# Altium PCB precursor_pvt2b.PcbDoc (part 4 of 7) (continued)
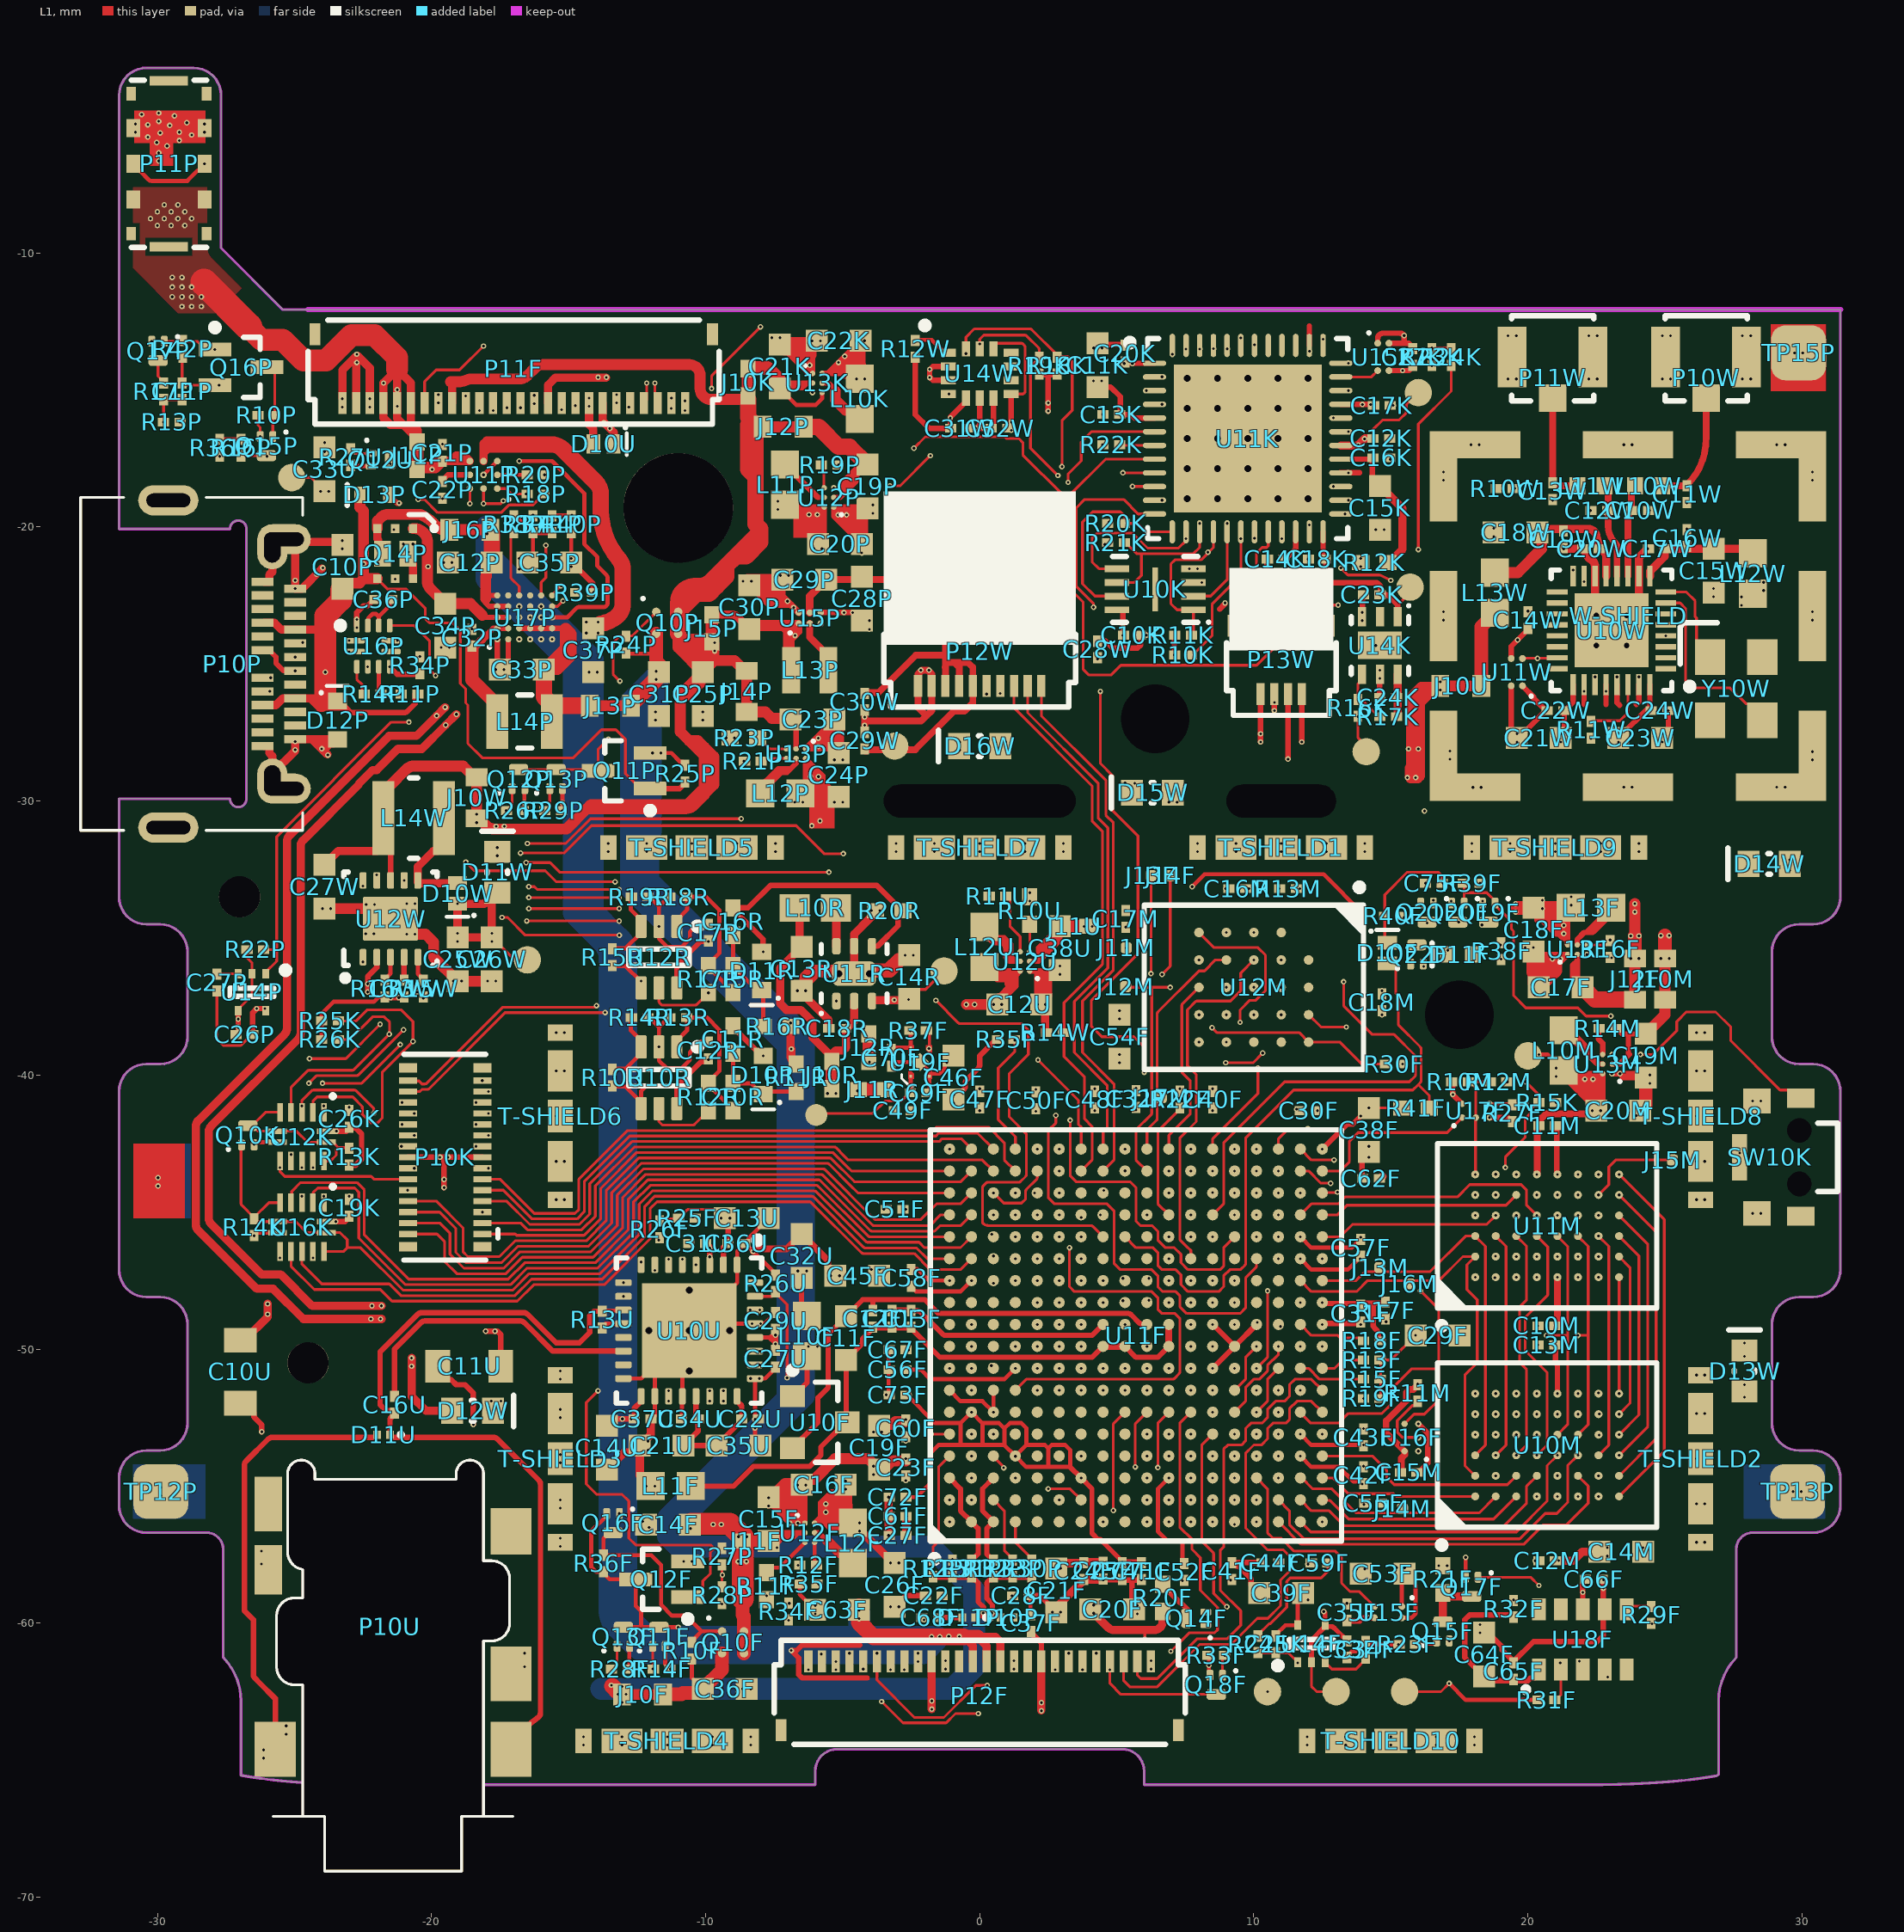
[diagram p0: L1 view]
## Nets (pads, with @x,y where several pads share a name; then routed paths per layer and width w, separated by ;. In a path a pad name is that pad's centre, name@x,y a point inside that pad or via, vN(x,y) a via of type N, cw(c..) or ccw(c..) an arc to the next point about the centre after c; other vN are vias at no path point) (continued)
KEY8: U11F.B15 U16K.4 | length 30.9
  L1 w0.1: U16K.4@-25.125,-44.66 -25.1,-44.635 -25.1,-44.25 -24.775,-43.925 -22.717,-43.925 -22.45,-44.192 -22.45,-45.831 -20.831,-47.45 -17.201,-47.45 -16.601,-46.85 -14.023,-46.85 -12.825,-45.652 -12.825,-44.546 -12.104,-43.825 -5.882,-43.825 cw(c-5.882,-43.925) -5.811,-43.855 -3.995,-45.671 ccw(c-3.924,-45.6) -3.924,-45.7 -1.65,-45.7 -1.45,-45.5 -0.7,-45.5 U11F.B15@-0.3,-45.1
KEY8_MUX: P10K.20 U12K.3 U16K.3 | length 10.6
  L1 w0.1: U12K.3@-24.725,-41.36 v1(-24.725,-41.125) -24.725,-40.925 -24.379,-40.579 cw(c-24.309,-40.65) -24.309,-40.55 -22.816,-40.55 ; -22.816,-40.55 cw(c-22.816,-40.65) -22.745,-40.58 -22.492,-40.833 -22.129,-41.196 cw(c-22.2,-41.266) -22.1,-41.266 v1(-22.1,-41.4)
  L2 w0.1: v1(-24.725,-44.425) -25.075,-44.075 -25.075,-43.275 -24.725,-42.925 v1(-24.725,-41.125) ; v1(-22.1,-41.4) -22.1,-42.975 v1(-20.875,-44.2)
KILL_FBK: D11F.2 Q21F.3 Q22F.1 R38F.2 | length 4.7
  L2 w0.1: v1(15.699,-35.875) 15.708,-35.867 16.325,-35.25 ; v1(16.325,-34.45) 16.325,-35.25 ; v1(18.996,-35.25) 18.65,-35.25 18.225,-35.675 17.625,-35.675 17.4,-35.45 v1(17.075,-35.45) 16.525,-35.45 16.325,-35.25
KILL_KEY: D10F.1 R41F.2 U11F.J14 | length 24.1
  L1 w0.1: U11F.J14@5.3,-45.9 5.7,-46.3 6.325,-46.3 6.5,-46.475 6.5,-46.95 6.65,-47.1 7.15,-47.1 7.345,-47.295 7.345,-47.647 7.598,-47.9 8.725,-47.9 8.9,-47.725 8.9,-47.325 9.125,-47.1 9.473,-47.1 ccw(c9.473,-47) 9.544,-47.071 9.671,-46.944 ccw(c9.6,-46.873) 9.7,-46.873 9.7,-42.3 11.45,-40.55 15.8,-40.55 16,-40.35 ; D10F.1@14.875,-35.925 14.975,-35.925 15.175,-36.125 15.175,-37 15.275,-37.1 15.275,-38.175 16.071,-38.971 cw(c16,-39.041) 16.1,-39.041 16.1,-40.209 cw(c16,-40.209) 16.071,-40.279 16,-40.35 ; R41F.2@16.4,-41.2 16.4,-40.75 16,-40.35
KILL_KEY_N: Q16F.1 Q19F.3 R37F.1 U19F.3 | length 50.8
  L1 w0.1: R37F.1@-1.945,-38.375 -1.836,-38.484 U19F.3@-1.836,-39.005 ; Q19F.3@18.57,-34.425 Q19F.3@18.72,-34.425
  L2 w0.1: v2(-13.388,-54.963) -13.15,-55.2 v1(-13.15,-56) ; v2(-7.4,-40.275) -6.225,-40.275 -6.1,-40.15 -5.4,-40.15 -3.8,-38.55 -3.127,-38.55 -2.641,-39.036 v1(-1.85,-39.036) -1.529,-39.036 -1.468,-38.975 0.191,-38.975 cw(c0.191,-39.075) 0.262,-39.005 v2(1.157,-39.9) ; v2(15.742,-36.417) 15.755,-36.417 15.917,-36.255 ccw(c15.847,-36.185) 15.947,-36.185 15.947,-35.953 cw(c16.047,-35.953) 15.976,-35.882 16.183,-35.675 16.796,-35.675 17.021,-35.9 18.4,-35.9 18.8,-35.5 19.15,-35.5 19.25,-35.4 19.25,-35.15 18.625,-34.525 v1(18.325,-34.525)
  L7 w0.1: v2(-13.388,-54.963) -13.388,-52.113 -11.475,-50.2 -11.475,-45.4 -7.4,-41.325 v2(-7.4,-40.275) ; v2(1.157,-39.9) 7.775,-39.9 10.3,-37.375 14.8,-37.375 15.742,-36.433 v2(15.742,-36.417)
KILL_KEY_STRETCH: C75F.1 D10F.2 Q17F.1 Q19F.1 Q20F.1 Q21F.1 R39F.1 R40F.1 | length 43.3
  L1 w0.1: D10F.2@14.875,-35.175 14.775,-35.075 R40F.1@14.775,-34.2 14.775,-33.425 15.6,-32.6 16.725,-32.6 16.875,-32.75 C75F.1@16.875,-33 16.83,-33 C75F.1@16.72,-33.11 ; R39F.1@17.64,-33 17.675,-33.035 17.675,-33.38 ; Q20F.1@17.675,-33.725 17.675,-33.38 ; Q17F.1@18.18,-58.325 20.1,-58.325 v2(20.4,-58.625) ; v2(23.025,-37.85) 22.125,-37.85 21.825,-37.55 19.925,-37.55 19.475,-37.1 19.475,-34.75 19.4,-34.675 19.4,-34.4 18.8,-33.8 Q19F.1@18.8,-33.725 18.8,-33.65 18.5,-33.35 17.705,-33.35 17.675,-33.38
  L2 w0.1: v1(16.55,-33.625) 16.55,-33.35 v1(16.9,-33) 17.2,-33 17.252,-32.948 v1(17.548,-32.948)
  L7 w0.1: v2(20.4,-58.625) 21.875,-58.625 22.5,-58 22.95,-58 23.65,-57.3 23.65,-57 24.85,-55.8 24.85,-38.6 24.1,-37.85 v2(23.025,-37.85)
  other v1: 20.4,-58.625 23.025,-37.85
KILL_VAUX_N: Q20F.3 R16F.2 U13F.C2 | length 7.2
  L1 w0.1: U13F.C2@22.15,-35.25 22.85,-35.25 23,-35.1 R16F.2@23,-35.095 v1(23,-35.075)
  L2 w0.1: v1(17.475,-34.425) 17.9,-34 18.925,-34 19.6,-34.675 20.3,-34.675 20.825,-35.2 21.525,-35.2 21.65,-35.075 v1(23,-35.075)
LCD_DISP: C28W.1 P12W.6 U11K.44 | length 23.1
  L2 w0.1: v1(0.25,-26.1) 0.625,-26.475 3.375,-26.475 4.3,-25.55 v1(4.3,-24.825) 4.3,-23.966 ccw(c4.2,-23.966) 4.27,-23.895 2.579,-22.204 cw(c2.65,-22.134) 2.55,-22.134 2.55,-17.675 2.75,-17.475 4.597,-17.475 ccw(c4.597,-17.375) 4.667,-17.446 4.909,-17.204 cw(c4.98,-17.275) 4.979,-17.175 ; 4.98,-17.175 6.375,-17.175 7.196,-16.354 cw(c7.266,-16.425) 7.266,-16.325 8.809,-16.325 ccw(c8.809,-16.225) 8.879,-16.296 9.196,-15.979 ccw(c9.125,-15.909) 9.225,-15.909 9.225,-14.264 9.032,-14.071 v1(9.032,-13.504)
LCD_SCLK: P12W.10 U11F.H17 | length 19.6
  L1 w0.1: P12W.10@2.25,-26.1 2.25,-26.893 4.6,-29.243 4.6,-30.518 4.875,-30.793 4.875,-36.177 3.75,-37.302 3.75,-39.175 4.9,-40.325 4.9,-43.1 U11F.H17@4.5,-43.5
LCD_SCS: P12W.8 R14W.2 U11F.G17 | length 19.9
  L1 w0.1: P12W.8@1.25,-26.1 1.25,-26.6 4.1,-29.45 4.1,-30.725 4.475,-31.1 4.475,-35.961 3.075,-37.361 3.075,-38.45 3.075,-39.325 3.825,-40.075 3.825,-41.6 4.1,-41.875 4.1,-43.1 U11F.G17@3.7,-43.5
LCD_SI: P12W.9 U11F.H18 | length 18.9
  L1 w0.1: P12W.9@1.75,-26.1 1.75,-26.782 4.325,-29.357 4.325,-30.632 4.675,-30.982 4.675,-36.094 3.45,-37.319 3.45,-39.175 4.65,-40.375 4.65,-41.925 4.5,-42.075 U11F.H18@4.5,-42.7
MICBIAS: R13U.2 U10U.12 | length 0.9
  L1 w0.15: R13U.2@-13.775,-49.23 -13.775,-49.185 -13.665,-49.075 U10U.12@-13,-49.075
MICIN+: C16U.2 U10U.14 | length 10.9
  L1 w0.2: C16U.2@-21.35,-51.72 -21.35,-49.999 -20.384,-49.034 cw(c-20.243,-49.175) -20.243,-48.975 -16.758,-48.975 cw(c-16.758,-49.175) -16.616,-49.034 -15.575,-50.075 U10U.14@-13,-50.075
NetC10U_1: C10U.1 U10U.27 | length 21.3
  L1 w0.3: C10U.1@-26.975,-49.675 -26.825,-49.675 -25.975,-48.825 v1(-25.975,-48.73) v1(-25.975,-48.35)
  L2 w0.3: v1(-25.975,-48.73) v1(-25.975,-48.35) -25.65,-48.025 -20.175,-48.025 -18.538,-49.662 ; -18.537,-49.663 ccw(c-18.326,-49.45) -18.326,-49.75 -17.524,-49.75 ccw(c-17.524,-49.45) -17.312,-49.662 -17.263,-49.613 cw(c-17.051,-49.825) -17.051,-49.525 -13.399,-49.525 cw(c-13.399,-49.825) -13.187,-49.613 -12.725,-50.075 -10.6,-50.075 v1(-8.375,-50.075) v1(-8.025,-50.075)
NetC11P_1: C11P.1 Q14P.2 R13P.2 R17P.2 | length 12.8
  L1 w0.1: R13P.2@-29.78,-16.175 -29.775,-16.17 R17P.2@-29.775,-15.355 C11P.1@-29.1,-15.355
  L2 w0.1: v1(-29.775,-16.175) -29.175,-15.575 -24.525,-15.575 -22.284,-17.816 -22.284,-19.191 v1(-21.375,-20.1)
NetC11U_1: C11U.1 U10U.30 | length 12.3
  L1 w0.2: v1(-18.025,-49.35) v1(-17.681,-49.35) -17.592,-49.35 -17.475,-49.467 C11U.1@-17.475,-50.625
  L2 w0.3: v1(-18.025,-49.35) -17.725,-49.35 -16.95,-48.575 -14.304,-48.575 -14.054,-48.825 -8.889,-48.825 -8.639,-48.575 v1(-8.375,-48.575) v1(-8.025,-48.575)
NetC32P_1: C32P.1 L14P.1 U17P.A2 U17P.B2 | length 4.5
  L1 w0.2: -18.025,-23.975 -17.75,-23.7 U17P.A2@-17.6,-23.7 U17P.B2@-17.2,-23.7
  L1 w0.3: -18.338,-24.288 -18.209,-24.159 -18.025,-23.975
  L1 w0.5: C32P.1@-18.525,-24.375 -18.525,-25.575 -17.6,-26.5 L14P.1@-17.6,-27.1
NetC32P_2: C32P.2 U17P.C3 | length 1.9
  L2 w0.15: v1(-18.525,-23.725) -18.1,-23.3 v1(-16.8,-23.3)
NetD11W_2: D11W.2 D12W.1 | length 29.2
  L1 w0.3: v1@-20.715,-50.325 -20.715,-51.735 -20.2,-52.25 D12W.1@-19.25,-52.25 D12W.1@-19.25,-52.175
  L7 w0.3: v2@-20.725,-50.449 -20.725,-47.549 cw(c-20.425,-47.549) -20.637,-47.337 -18.95,-45.65 -18.95,-41.175 -23.8,-36.325 -23.8,-34.75 -23.15,-34.1 -23.15,-33.875 -22.35,-33.075 -18.8,-33.075 v2@-17.575,-31.85
  other v1: -20.725,-50.625 -20.725,-50.325 -17.6,-32 -17.6,-31.7
  other v2: -20.725,-50.475 -17.6,-31.85
NetD12W_2: D12W.2 D13W.1 | length 76.6
  L2 w0.3: v1(-17.817,-51.896) -16.929,-51.896 v2(-16.625,-52.2) ; v2(27.35,-33.319) 27.35,-42.076 cw(c27.05,-42.076) 27.262,-42.288 27.05,-42.5 27.05,-43.825 27.325,-44.1 27.325,-50.45 27.9,-51.025 v1(27.9,-51.3) 27.904,-51.304 v1(27.904,-51.759)
  L7 w0.3: v2(-16.625,-52.2) -16.625,-48.525 -8.15,-40.05 -8.15,-37.375 -5.7,-34.925 -3.475,-34.925 -1.25,-32.7 5.469,-32.7 5.607,-32.563 cw(c5.819,-32.775) 5.819,-32.475 12.975,-32.475 13.175,-32.275 24.775,-32.275 25.819,-33.319 v2(27.35,-33.319)
  other v1: -17.464,-51.894
NetD13P_1: D13P.1 Q14P.6 Q14P.EP1 | length 4
  L1 w0.2: D13P.1@-21.564,-18.824 -21.564,-18.924 -21.464,-19.024 -21.364,-19.024 -21.259,-19.129 v1(-21.181,-19.129)
  L1 w0.3: Q14P.EP1@-20.859,-20.975 -20.859,-21.143 -20.675,-21.327 Q14P.6@-20.675,-21.888
  L2 w0.6: v1@-21.55,-18.7 -21.55,-19.075 -21.338,-19.287 -21.021,-19.604 cw(c-21.444,-20.029) -20.844,-20.029 v1(-20.844,-20.913)
  other v1: -21.025,-20.625 -20.675,-20.625 -21.617,-19.015 -21.615,-18.628
NetD13W_2: D13W.2 D14W.1 | length 20.1
  L2 w0.3: v1(27.901,-50.263) v1(27.9,-49.775) v1(27.9,-49.775) 27.9,-47.125 29,-46.025 29,-44.375 28.45,-43.825 28.45,-41.85 28.975,-41.325 28.975,-40.625 27.975,-39.625 27.975,-34.5 29.55,-32.925 v1(29.55,-32.15)
  other v1: 29.55,-32.537
NetD14W_2: D14W.2 D15W.1 | length 22.8
  L7 w0.3: v2@7.025,-30.05 7.025,-30.551 7.649,-31.175 13.225,-31.175 13.45,-30.95 15.35,-30.95 15.8,-31.4 16.603,-31.4 17.053,-30.95 24.8,-30.95 26.15,-32.3 v2(28.05,-32.3)
  other v1: 28.05,-32.45 28.05,-32.15 6.9,-30.05 7.2,-30.05
  other v2: 7.05,-30.05
NetD15W_2: D15W.2 D16W.1 | length 5.7
  L2 w0.4: v1@0.574,-27.85 v1(0.95,-27.85) 3.209,-27.85 cw(c3.209,-28.25) 3.492,-27.967 4.875,-29.35 v1(5.3,-29.35) v1@5.65,-29.35
  other v1: 5.652,-29.351 0.574,-27.848
NetL13P_2: L13P.2 U15P.B1 | length 2
  L1 w0.25: U15P.B1@-6.2,-23.525 -6.2,-24.025 -5.525,-24.7 L13P.2@-5.525,-25.225
NetQ10F_1: Q10F.1 Q16F.3 R10F.1 R36F.2 | length 7.9
  L1 w0.15: Q16F.3@-13.375,-56.7 -13.511,-56.7 -13.725,-56.914 R36F.2@-13.725,-57.52 -11.98,-57.52 -11.625,-57.875 -11.625,-59.325 -11.225,-59.725 -10.725,-59.725 -10.15,-60.3 ; R10F.1@-10.5,-60.695 -10.5,-60.65 -10.15,-60.3 ; Q10F.1@-9.4,-60.3 -10.15,-60.3
NetQ14F_3: Q14F.3 R20F.1 | length 1.3
  L1 w0.2: R20F.1@6.675,-58.575 6.675,-58.615 7.297,-59.237 7.298,-59.238 ccw(c7.438,-59.096) 7.313,-59.252 7.371,-59.298 cw(c7.247,-59.454) 7.389,-59.314 7.599,-59.524 cw(c7.458,-59.666) Q14F.3@7.6,-59.525
NetQ14P_5: Q14P.5 Q15P.3 R16P.2 | length 8.3
  L1 w0.1: R16P.2@-26.95,-17.41 -26.94,-17.4 Q15P.3@-26.02,-17.4
  L2 w0.1: v1(-26,-17.425) -24.383,-17.425 -22.8,-19.008 -22.8,-19.583 -22.672,-19.71 -22.672,-19.878 -21.623,-20.927 -21.623,-21.602 v1(-21.325,-21.9)
NetQ17P_3: Q17P.3 R17P.1 | length 0.9
  L1 w0.1: Q17P.3@-29.975,-13.925 -29.975,-14.5 -29.775,-14.7 R17P.1@-29.775,-14.745
NetQ22F_3: Q22F.3 R40F.2 | length 1.2
  L2 w0.1: v1(15.475,-34.25) 15.475,-34.8 v1(15.9,-35.225)
NetR10R_2: R10R.2 R14R.2 U10R.3 | length 2.7
  L1 w0.15: R10R.2@-13.4,-39.775 -12.925,-39.775 -12.35,-39.2 U10R.3@-12.35,-38.975 -12.35,-38.75 -12.725,-38.375 R14R.2@-12.725,-37.9
NetR10U_1: R10U.1 U12U.C1 | length 1
  L1 w0.1: U12U.C1@1.825,-35.5 R10U.1@1.825,-34.5
NetR11F_1: R11F.1 U12F.C1 | length 1.7
  L1 w0.15: R11F.1@-7.725,-57.975 -7.3,-57.975 U12F.C1@-6.375,-57.05
NetR11P_2: R11P.2 U16P.4 | length 1.6
  L2 w0.15: v1(-22.325,-25.1) -21.325,-26.1 v1(-21.105,-26.1)
NetR11U_2: R11U.2 U12U.C2 | length 2.3
  L1 w0.1: R11U.2@0.955,-33.475 1,-33.475 1.11,-33.585 1.11,-34.587 1.475,-34.952 U12U.C2@1.475,-35.5
NetR11W_1: R11W.1 U10W.30 | length 2.5
  L1 w0.1: R11W.1@22.3,-27.075 23.35,-27.075 23.621,-26.804 ccw(c23.55,-26.734) 23.65,-26.734 23.65,-26.4 U10W.30@23.65,-25.755
NetR12F_1: R12F.1 U12F.C2 | length 0.9
  L1 w0.15: R12F.1@-6.025,-57.925 U12F.C2@-6.025,-57.05
NetR12W_1: R12W.1 U14W.1 | length 1.4
  L1 w0.15: R12W.1@-2.35,-13.175 -1.75,-13.175 -1.275,-13.65 U14W.1@-1.15,-13.65
NetR13F_1: R13F.1 U11F.V8 | length 1.6
  L1 w0.1: U11F.V8@12.5,-50.7 12.95,-50.7 13.25,-50.4 R13F.1@13.975,-50.4
NetR14M_2: R14M.2 U13M.C2 | length 1
  L1 w0.2: R14M.2@22.575,-38.3 22.575,-38.687 22.725,-38.837 U13M.C2@22.725,-39.25
NetR15R_2: R15R.2 R19R.2 U12R.3 | length 2.7
  L1 w0.15: R15R.2@-13.4,-35.375 -12.925,-35.375 -12.35,-34.8 U12R.3@-12.35,-34.575 -12.35,-34.35 -12.725,-33.975 R19R.2@-12.725,-33.5
NetR15W_2: R15W.2 U12W.5 | length 0.9
  L1 w0.15: U12W.5@-20.496,-35.7 -20.496,-36.304 -20.3,-36.5 R15W.2@-20.3,-36.525
NetR16K_2: R16K.2 R17K.2 U14K.4 | length 2
  L1 w0.1: U14K.4@13.95,-25.375 13.95,-25.575 13.8,-25.725 13.8,-26.275 13.8,-26.3 13.91,-26.41 14.035,-26.41 14.55,-26.925 R17K.2@14.575,-26.925
NetR17F_2: R17F.2 U11F.U9 | length 3.5
  L2 w0.1: v1(11.7,-49.9) 11.964,-49.9 12.314,-49.55 14.275,-49.55 v1(14.825,-49)
NetR18F_2: R18F.2 U11F.U10 | length 2.5
  L1 w0.1: U11F.U10@11.7,-49.1 12.1,-49.5 13.062,-49.5 13.152,-49.59 13.865,-49.59 R18F.2@13.975,-49.7
NetR19F_2: R19F.2 U11F.T10 | length 4.4
  L2 w0.1: v1(10.975,-49.175) 11.4,-49.6 11.4,-50.025 11.675,-50.3 12.075,-50.3 13.575,-51.8 v1(14,-51.8)
NetR19P_2: R19P.2 U12P.C2 | length 0.9
  L1 w0.1: R19P.2@-5.69,-17.635 -5.69,-18.56 U12P.C2@-5.675,-18.575
NetR21P_2: R21P.2 U13P.C2 | length 0.9
  L1 w0.1: R21P.2@-7.95,-28.55 -7.85,-28.45 U13P.C2@-7.05,-28.45
NetR22F_1: R22F.1 U11F.L15 | length 4.4
  L1 w0.1: U11F.L15@6.9,-45.1 6.5,-44.7 6.5,-42.05 7.3,-41.25 R22F.1@7.3,-41.225
NetR23P_1: R23P.1 U13P.C1 | length 1.2
  L1 w0.1: R23P.1@-8.1,-27.7 -8.06,-27.7 -7.66,-28.1 U13P.C1@-7.05,-28.1
NetU10W_7: U10W.7 Y10W.3 | length 6.9
  L1 w0.1: U10W.7@25.03,-22.775 25.55,-22.775 25.75,-22.975 25.75,-25.625 26,-25.875 27.375,-25.875 27.95,-26.45 28.05,-26.45 28.55,-26.95 Y10W.3@28.55,-27.05
NetU10W_8: U10W.8 Y10W.1 | length 3.5
  L1 w0.1: U10W.8@25.03,-22.375 25.775,-22.375 26.1,-22.7 26.1,-23.275 26.15,-23.325 26.15,-24.25 Y10W.1@26.65,-24.75
NOISE0: J12R.1 R15R.1 U11F.C5 U12R.4 | length 31
  L1 w0.15: R15R.1@-13.4,-36.025 -12.925,-36.025 -12.35,-36.6 U12R.4@-12.35,-36.825
  L2 w0.15: v1(-12.35,-36.575) -9.5,-36.575 -8.475,-37.6 -8.475,-39.35 -8.294,-39.531 ccw(c-8.188,-39.425) -8.188,-39.575 -5.562,-39.575 ccw(c-5.562,-39.425) -5.456,-39.531 v1(-4.225,-38.3) ; v1(-4.025,-39.525) -3.875,-39.375 v2(-3.077,-39.375)
  L2 w0.2: v2(0.1,-53.5) v1(0.5,-53.1)
  L7 w0.2: v2(-3.077,-39.375) -1.861,-39.375 -0.986,-40.25 -0.775,-40.25 -0.45,-40.575 -0.45,-45.142 ccw(c-0.25,-45.142) -0.391,-45.284 ; -0.391,-45.284 0.175,-45.85 0.175,-49.341 -0.15,-49.666 -0.15,-51.4 0.625,-52.175 0.625,-52.975 v2(0.1,-53.5)
NOISE1: J11R.1 R10R.1 U10R.4 U11F.A8 | length 22.5
  L1 w0.15: R10R.1@-13.4,-40.425 -12.925,-40.425 -12.35,-41 -12.35,-40.579 v1(-12.171,-40.4)
  L2 w0.15: v1(-12.171,-40.4) -11.188,-40.4 -10.863,-40.725 -10.513,-40.725 -6.912,-40.725 cw(c-6.912,-40.875) -6.806,-40.769 -6.325,-41.25 -5.125,-41.25 v1(-4.455,-40.58) v1@-4.45,-40.575
  L2 w0.2: v2(-1.5,-51.1) v1(-1.1,-50.7)
  L7 w0.2: v2(-3.425,-40.475) -3.425,-40.889 -3.7,-41.164 -3.7,-42.775 -2.125,-44.35 -2.125,-48.425 -1.5,-49.05 v2(-1.5,-51.1)
  other v1: -3.425,-40.475
NOISE_ON0: R17R.2 U11F.P14 U12R.5 | length 32
  L1 w0.1: U12R.5@-11.7,-36.825 -11.7,-37.309 ccw(c-11.6,-37.309) -11.671,-37.379 -11.629,-37.421 ccw(c-11.559,-37.35) -11.559,-37.45 -10.391,-37.45 ccw(c-10.391,-37.35) -10.321,-37.421 -10.165,-37.265 -10.125,-37.265 -9.9,-37.04 v1(-9.9,-37) ; v1(3.3,-41.65) 3.3,-43.675 3.525,-43.9 5.5,-43.9 5.7,-44.1 5.7,-45.325 5.875,-45.5 6.3,-45.5 6.5,-45.7 6.5,-46.025 6.775,-46.3 7.1,-46.3 7.345,-46.545 7.345,-46.847 7.598,-47.1 8.775,-47.1 8.9,-46.975 8.9,-46.3 U11F.P14@9.3,-45.9
  L2 w0.1: v1(-9.9,-37) -9.25,-37.65 -9.25,-39.035 ccw(c-9.15,-39.034) -9.221,-39.104 -8.504,-39.821 ccw(c-8.434,-39.75) -8.434,-39.85 -5.441,-39.85 ccw(c-5.441,-39.75) -5.37,-39.82 -3.875,-38.325 -3.015,-38.325 -2.59,-38.75 0.875,-38.75 1.825,-39.7 2.709,-39.7 cw(c2.709,-39.8) 2.78,-39.73 3.271,-40.221 cw(c3.2,-40.291) 3.3,-40.291 ; v1(3.3,-41.65) 3.3,-40.291
NOISE_ON1: R12R.2 U10R.5 U11F.R13 | length 33.6
  L1 w0.1: U10R.5@-11.7,-41.225 -11.7,-41.7 -11.575,-41.825 -10.466,-41.825 ccw(c-10.466,-41.725) -10.396,-41.796 -10.079,-41.479 R12R.2@-9.9,-41.3 ; v1(2.775,-41.475) 2.775,-41.75 2.5,-42.025 2.5,-44.475 2.725,-44.7 4.65,-44.7 4.9,-44.95 4.9,-46.875 5.125,-47.1 6.275,-47.1 6.5,-47.325 6.5,-47.725 6.675,-47.9 7.15,-47.9 7.3,-48.05 7.3,-48.45 7.55,-48.7 9.5,-48.7 9.7,-48.5 9.7,-47.437 ; 9.7,-47.437 cw(c9.8,-47.437) 9.729,-47.367 10.071,-47.025 ccw(c10,-46.955) 10.1,-46.955 U11F.R13@10.1,-46.7
  L2 w0.1: v1(-9.9,-41.1) -6.793,-41.1 -6.393,-41.5 -4.875,-41.5 -4,-40.625 -4,-40.175 -3.775,-39.95 -2.891,-39.95 ccw(c-2.891,-39.85) -2.821,-39.921 -2.654,-39.754 cw(c-2.584,-39.825) -2.584,-39.725 -2.266,-39.725 cw(c-2.266,-39.825) -2.195,-39.755 -2.004,-39.946 ccw(c-1.934,-39.875) -1.934,-39.975 0.075,-39.975 0.475,-40.375 1.6,-40.375 1.851,-40.124 2.399,-40.124 2.775,-40.5 2.775,-41.466 2.766,-41.475 v1(2.775,-41.475)
NOISEBIAS_ON: U11F.H14 U11R.1 | length 21.4
  L1 w0.1: v1(-1.6,-37.275) -0.779,-38.096 ccw(c-0.709,-38.025) -0.709,-38.125 1.537,-38.125 1.775,-38.363 1.775,-39.25 1.075,-39.95 1.075,-41.525 1.7,-42.15 1.7,-43.636 cw(c1.6,-43.636) 1.671,-43.707 1.496,-43.881 cw(c1.426,-43.81) 1.426,-43.91 0.306,-43.91 ccw(c0.306,-44.01) 0.235,-43.94 0.129,-44.046 ccw(c0.199,-44.117) 0.099,-44.117 0.099,-45.351 ccw(c0.199,-45.351) 0.141,-45.432 ccw(c0.336,-45.16) 0.336,-45.494 4.053,-45.494 cw(c4.053,-45.594) 4.123,-45.523 U11F.H14@4.5,-45.9
  L2 w0.1: v1(-5.23,-37.3) -4.725,-37.3 -4.225,-36.8 -2.075,-36.8 v1(-1.6,-37.275)
NPN_NOISE0: C15R.1 C16R.2 D11R.2 R16R.1 | length 3.8
  L1 w0.15: C16R.2@-9,-34.9 C15R.1@-9,-36 -9,-36.04 -8.365,-36.675 -8.125,-36.675 -7.9,-36.9 R16R.1@-7.9,-38.1
NPN_NOISE1: C10R.1 C11R.2 D10R.2 R11R.1 | length 3.6
  L1 w0.15: C11R.2@-9,-39.2 C10R.1@-9,-40.3 -8.35,-40.3 -7.95,-40.7 -7.85,-40.6 R11R.1@-6.7,-40.6
OPT_PIN: R23K.2 R24K.2 U11K.37 | length 4.8
  L1 w0.1: v1(16.5,-13.475) R24K.2@17.2,-13.475
  L2 w0.1: v1(12.525,-13.15) 14.45,-13.15 14.704,-13.404 ccw(c14.774,-13.333) 14.774,-13.433 16.416,-13.433 cw(c16.416,-13.533) 16.487,-13.462 v1(16.5,-13.475)
P0.95V_T: C16F.1 C19F.1 C20F.1 C21F.1 C22F.2 C23F.1 C24F.1 C25F.1 C26F.1 C27F.2 C28F.1 C60F.1 C61F.1 L12F.2 pad.TP@10.5,-62.5 R11U.1 R16F.1 R20F.2 U11F.E7 U11F.E9 U11F.E11 U11F.F8 U11F.F10 U11F.G7 U11F.G9 U11F.G11 U11F.H8 U11F.J7 U11F.J11 U11F.K8 U11F.L7 U11F.L11 U11F.M8 U11F.M10 U11F.N7 U11F.N9 U11F.N11 U11F.P8 U11F.P10 U12F.A2 | length 81.4
  L1 w0.1: v1(6.025,-60.59) 6.025,-60.275 6.05,-60.25
  L1 w0.15: 4.1,-57.71 4.155,-57.765 ; v1(7.75,-33.125) 8.2,-32.675 12.55,-32.675 14,-34.125 v1(14,-35.975)
  L1 w0.2: -5.805,-56.08 -5.805,-55.605 -5.41,-55.21 C16F.1@-5.16,-55.21 ; C16F.1@-4.9,-54.95 C16F.1@-5.16,-55.21 ; L12F.2@-4.81,-56.525 -5.467,-56.525 -5.642,-56.35 ; L12F.2@-4.635,-56.35 -5.642,-56.35 ; L12F.2@-4.535,-56.685 L12F.2@-4.35,-56.5 ; -5.819,-56.144 -5.612,-55.937 -5.612,-55.662 -5.375,-55.425 C16F.1@-5.16,-55.21 ; -5.819,-56.144 U12F.A2@-6.025,-56.35 -5.642,-56.35 ; -5.819,-56.144 -5.819,-56.173 -5.642,-56.35
  L1 w0.3: L12F.2@-4.625,-56.34 -4.625,-56.345 -4.482,-56.488 -4.41,-56.56 -4.336,-56.634 -3.42,-57.55 -3.35,-57.55 v2(-3.1,-57.8) ; C27F.2@-2.675,-56.8 v2(-2.675,-56.1) ; v2(2.8,-58) 2.99,-57.81 3.79,-57.81 3.8,-57.8 v2(3.8,-57.775) 3.81,-57.765 4.155,-57.765 C25F.1@4.5,-57.765 ; C20F.1@4.025,-59.5 4.687,-60.162 ; 4.688,-60.163 ccw(c4.899,-59.95) 4.899,-60.25 6.05,-60.25 6.366,-60.25 ccw(c6.366,-59.95) 6.579,-60.162 6.587,-60.154 ccw(c6.375,-59.941) 6.675,-59.941 R20F.2@6.675,-59.575
  L1 w0.4: C19F.1@-3.675,-52.95 -3.475,-52.75 -3.175,-52.75 -3.075,-52.65 C60F.1@-2.7,-52.65
  L1 w0.5: -5.375,-55.425 -5.375,-55.975 -5.575,-56.175 -4.885,-56.175 L12F.2@-4.885,-56.08 ; C16F.1@-4.9,-54.95 -4.9,-55.7 -4.885,-55.715 L12F.2@-4.885,-56.08 ; L12F.2@-4.625,-56.34 L12F.2@-4.885,-56.08
  L2 w0.1: v1(6.025,-60.59) 7.395,-61.919 cw(c7.325,-61.991) 7.396,-61.921 ccw(c7.467,-61.85) 7.467,-61.95 9.95,-61.95 v1(10.5,-62.5) ; v2(9.7,-48.7) 10.2,-48.2 10.2,-47.825 10.475,-47.55 10.475,-45.625 10.7,-45.4 11.55,-45.4 12.2,-44.75 12.2,-43.175 11.675,-42.65 11.675,-42.475 11.4,-42.2 11.4,-41.8 11.825,-41.375 11.825,-40.725 12.775,-39.775 12.775,-38.325 13.225,-37.875 13.512,-37.875 ; v1(14,-35.975) 14,-36.775 13.512,-37.263 13.512,-37.875 ; v1@23.05,-35.75 21.404,-37.396 ccw(c21.475,-37.466) 21.375,-37.466 21.375,-38.734 cw(c21.275,-38.734) 21.346,-38.804 20.325,-39.825 16.45,-39.825 15.6,-38.975 14.775,-38.975 13.675,-37.875 13.512,-37.875
  L2 w0.15: v1(0.35,-33.475) 0.975,-34.1 2.85,-34.1 3.825,-33.125 v1(7.75,-33.125)
  L2 w0.2: v2(1.7,-51.9) v1(2.1,-51.5) ; v2(1.7,-50.3) v1(2.1,-49.9) ; v2(1.7,-47.9) v1(2.1,-48.3) ; v2(2.5,-51.1) v1(2.9,-50.7) ; v2(2.5,-48.7) v1(2.9,-49.1) ; v2(3.3,-51.9) v1(3.7,-51.5) ; v2(3.3,-50.3) v1(3.7,-49.9) ; v2(3.3,-47.9) v1(3.7,-48.3) ; v2(4.1,-51.1) v1(4.5,-50.7) ; v2(4.9,-51.9) v1(5.3,-51.5) ; v2(4.9,-47.9) 5.225,-48.225 v1(5.225,-48.236) ; v1(6.1,-50.7) v2(6.5,-51.1) ; v1(6.9,-51.5) v2(7.3,-51.9) ; v1(6.9,-48.3) v2(7.3,-47.9) ; v1(7.7,-50.7) v2(8.1,-51.1) ; v1(7.7,-49.1) v2(8.1,-48.7) ; v1(8.5,-51.5) v2(8.9,-51.9) ; v1(8.5,-49.9) v2(8.9,-50.3) v1(9.3,-50.7) ; v1(8.5,-48.3) v2(8.9,-47.9) ; v1(9.3,-49.1) v2(9.7,-48.7)
  other v1: 4.16,-59.64 4.16,-59.34 -1.35,-59 1.175,-59 2.65,-58 2.95,-58 -3.25,-57.8 -2.95,-57.8 3.8,-57.775 -4.387,-56.642 -4.387,-56.342 -2.675,-56.1 -5.612,-55.95 -5.612,-55.65 -4.894,-55.11 -4.894,-54.81 -2.7,-54.8 -3.875,-53.025 -3.575,-53.025 -2.7,-52.575 23.05,-35.725
  other v2: 4.16,-59.49 -1.35,-59 1.175,-59 -4.387,-56.492 -5.612,-55.8 -4.894,-54.96 -2.7,-54.8 -3.725,-53.025 -2.7,-52.575
P1.2V: C11K.1 C12K.1 C13K.1 C22K.1 L10K.2 pad.TP@16,-15.1 R12K.2 R19P.1 U11K.5 U11K.30 U13K.A2 | length 18.1
  L1 w0.1: L10K.2@-4.375,-14.59 L10K.2@-4.065,-14.9 ; C12K.1@14.342,-16.771 14.342,-16.458 14.7,-16.1 15.3,-16.1 15.564,-15.836 15.564,-15.536 pad.TP@16,-15.1
  L1 w0.2: U13K.A2@-5.75,-14.4 -5.55,-14.4 ; L10K.2@-4.35,-14.08 -4.35,-14.565 -4.362,-14.578 L10K.2@-4.375,-14.59 -4.565,-14.4 -4.917,-14.4 -5.55,-14.4 ; C22K.1@-4.35,-13.2 -4.362,-13.212 -5.55,-14.4 ; C11K.1@4.3,-14.9 4.775,-14.9 5.125,-15.25 5.125,-15.9 5.523,-15.9 5.651,-16.027 U11K.5@6.376,-16.027
  L1 w0.3: U11K.30@13.176,-17.027 13.798,-17.027 14.054,-16.771 C12K.1@14.322,-16.771
  L1 w0.4: -5.25,-14.3 -5.225,-14.275 -5.2,-14.275 -5.15,-14.225 -5.125,-14.225 -4.552,-13.652 ; -4.917,-14.4 -4.552,-14.035 -4.552,-13.652 ; L10K.2@-4.518,-14.248 L10K.2@-4.362,-14.092 ; L10K.2@-4.362,-14.578 L10K.2@-4.362,-14.092 ; C22K.1@-4.362,-13.212 -4.362,-13.652 ; L10K.2@-4.35,-14.08 L10K.2@-4.362,-14.092 ; -4.552,-13.652 -4.362,-13.652 ; L10K.2@-4.362,-14.092 -4.362,-13.652
  L2 w0.1: v1(-5.15,-17.739) -5.154,-17.736 -5.154,-15.369 v2@-4.375,-14.59
  other v1: 13.9,-21.45 13.9,-21.15 13.812,-17.013 14.039,-16.786 4.15,-14.675 4.45,-14.675 -4.496,-14.604 -4.196,-14.604 -5.151,-14.001 -4.925,-13.775 -4.506,-13.206 -4.206,-13.206
  other v2: 13.9,-21.3 13.926,-16.899 4.3,-14.675 -4.346,-14.604 -5.038,-13.888 -4.356,-13.206
P1.8V: C10K.1 C14K.1 C14W.1 C17K.1 C20P.1 C21W.1 C22W.1 C23W.1 C24W.1 C26P.1 C27K.1 C31W.1 C32W.1 C33W.1 C37F.2 L11P.2 L12W.2 P10K.7 P11F.16 P12F.9 pad.TP@14.1,-28.2 R10K.2 R10W.1 R11K.1 R12W.2 R15W.1 R16K.1 R18K.2 R18P.1 R19K.2 R20K.2 R21K.1 R21P.1 R22K.1 R22P.2 R34P.2 U10K.8 U10W.25 U10W.32 U11K.22 U11K.33 U11W.3 U12P.A2 U12W.4 U14P.2 U14P.4 U14W.5 U14W.8 U14W.12 U15K.3 | length 43
  L1 w0.1: U14P.4@-27.05,-37.65 -27.05,-37.6 -26.55,-37.1 U14P.2@-26.55,-36.3 -26.55,-35.9 -26.73,-35.72 R22P.2@-26.73,-35.425 ; v2(-20.486,-18.992) -20.258,-18.992 -19.775,-19.475 ; -19.468,-19.475 -19.775,-19.475 ; R18P.1@-15.9,-18.8 -16.3,-19.2 -17.181,-19.2 -17.221,-19.24 -17.222,-19.24 -17.457,-19.475 -19.775,-19.475 ; U14W.12@0.5,-13.5 0.5,-13.4 0.571,-13.329 cw(c0.641,-13.4) 0.641,-13.3 1.512,-13.3 cw(c1.512,-13.4) 1.583,-13.33 1.624,-13.371 cw(c1.553,-13.441) 1.653,-13.441 1.653,-15.05 cw(c1.553,-15.05) 1.553,-15.15 U14W.8@1.15,-15.15 ; v2(13.8,-26.925) 13.8,-27.694 14.1,-27.994 pad.TP@14.1,-28.2
  L1 w0.2: C26P.1@-27.13,-38.525 -27.11,-38.525 -27.05,-38.465 U14P.4@-27.05,-37.65 ; C33W.1@-21,-36.545 ccw(c-20.842,-36.422) -20.984,-36.564 -20.823,-36.724 ccw(c-20.682,-36.583) -20.761,-36.766 cw(c-20.84,-36.95) -20.698,-36.809 ccw(c-20.555,-36.669) -20.671,-36.832 -20.646,-36.85 cw(c-20.761,-37.013) -20.611,-36.882 ccw(c-20.46,-36.75) -20.581,-36.909 cw(c-20.702,-37.068) -20.532,-36.963 v1(-20.526,-36.974) v1(-20.526,-36.974) ; C33W.1@-21,-36.525 -20.998,-36.523 -20.998,-35.702 U12W.4@-20.996,-35.7 ; v2(-20.425,-24.725) R34P.2@-20.415,-24.716 ; R15W.1@-20.3,-37.225 v1(-20.299,-37.2) ; L11P.2@-7.1,-19.195 -7.02,-19.275 U12P.A2@-5.675,-19.275 -5.675,-20.4 C20P.1@-5.9,-20.625 ; R12W.2@-2.35,-13.825 -2.35,-15.9 -1.85,-16.4 -1.075,-16.4 -1.075,-16 -0.5,-15.425 U14W.5@-0.5,-15.3 ; C32W.1@1.05,-16.4 1.075,-16.4 v2(1.15,-16.325) U14W.8@1.15,-15.15 ; C37F.2@1.875,-60.325 1.875,-60.35 2.25,-60.725 P12F.9@2.25,-61.4 ; R19K.2@2.3,-14.45 R18K.2@2.675,-14.45 ; v1@2.5,-15.772 2.5,-14.447 ; U10K.8@5.005,-23.025 5.2,-23.025 5.225,-23.05 C10K.1@5.225,-23.95 ; v1(7.1,-24.675) R11K.1@7.1,-23.95 ; C14K.1@11.125,-21.175 v2(11.138,-21.175) 11.15,-21.175 11.526,-20.799 U11K.22@11.526,-20.177 ; U11K.33@13.176,-15.527 14.308,-15.527 C17K.1@14.35,-15.569 ; U15K.3@14.93,-14.297 v2(15.427,-14.297) 15.653,-14.297 15.8,-14.15 C27K.1@15.8,-14.125 ; U11W.3@19.39,-24.8 19.39,-24.36 v1(19.624,-24.126) 20,-23.75 C14W.1@20,-23.725 ; v2(21.2,-27.7) 21.325,-27.575 21.325,-26.7 21.35,-26.7 21.65,-26.4 U10W.25@21.65,-25.755 ; v2(23.3,-27.7) 24.45,-26.55 U10W.32@24.45,-25.755
  L1 w0.3: P11F.16@-15.75,-15.475 -15.75,-14.825 -15.475,-14.55 v1@-13.625,-14.55 ; v1@2.25,-63.175 P12F.9@2.25,-61.4
  other v1: 2.25,-63.2 2.25,-62.9 -17.925,-43.4 -27.05,-38.257 -27.05,-37.957 -8.6,-28.55 21.2,-27.85 23.3,-27.85 21.2,-27.55 23.3,-27.55 13.8,-26.925 -20.425,-24.725 5.225,-23.963 5.225,-23.663 27.79,-22.857 27.79,-22.557 28.596,-22.32 28.596,-22.02 11.138,-21.175 -6.054,-20.786 -5.754,-20.786 4.568,-20.641 4.724,-19.821 -6.225,-19.55 -5.925,-19.55 -7.369,-19.364 -7.369,-19.064 -20.486,-18.992 18.738,-18.61 4.475,-17 1.15,-16.475 -1.075,-16.324 1.15,-16.175 -1.075,-16.024 2.5,-15.775 13.959,-15.531 14.259,-15.531 2.5,-15.475 -13.921,-14.542 -13.621,-14.542 15.427,-14.297
  other v2: 2.25,-63.05 -17.925,-43.4 -27.05,-38.107 -20.413,-37.087 -8.6,-28.55 7.1,-24.675 19.624,-24.126 5.225,-23.813 27.79,-22.707 28.596,-22.17 -5.904,-20.786 4.568,-20.641 4.724,-19.821 -6.075,-19.55 -7.369,-19.214 18.738,-18.61 4.475,-17 -1.075,-16.174 2.5,-15.625 14.109,-15.531 -13.779,-14.55